# Altium PCB Luchador Pcb.PcbDoc (part 4 of 4)
Units mil, origin at the board's own origin, x right, y up, seen from the top; angles counter-clockwise.
Board outline 6102.25 x 2953 mil, 6 copper layers (Top Layer, GND PLANE 1, SL1(H), SL2(V), Power, Bottom Layer), stack 62.468 mil thick; 267 components, 233 nets, 1286 pads, 806 vias.
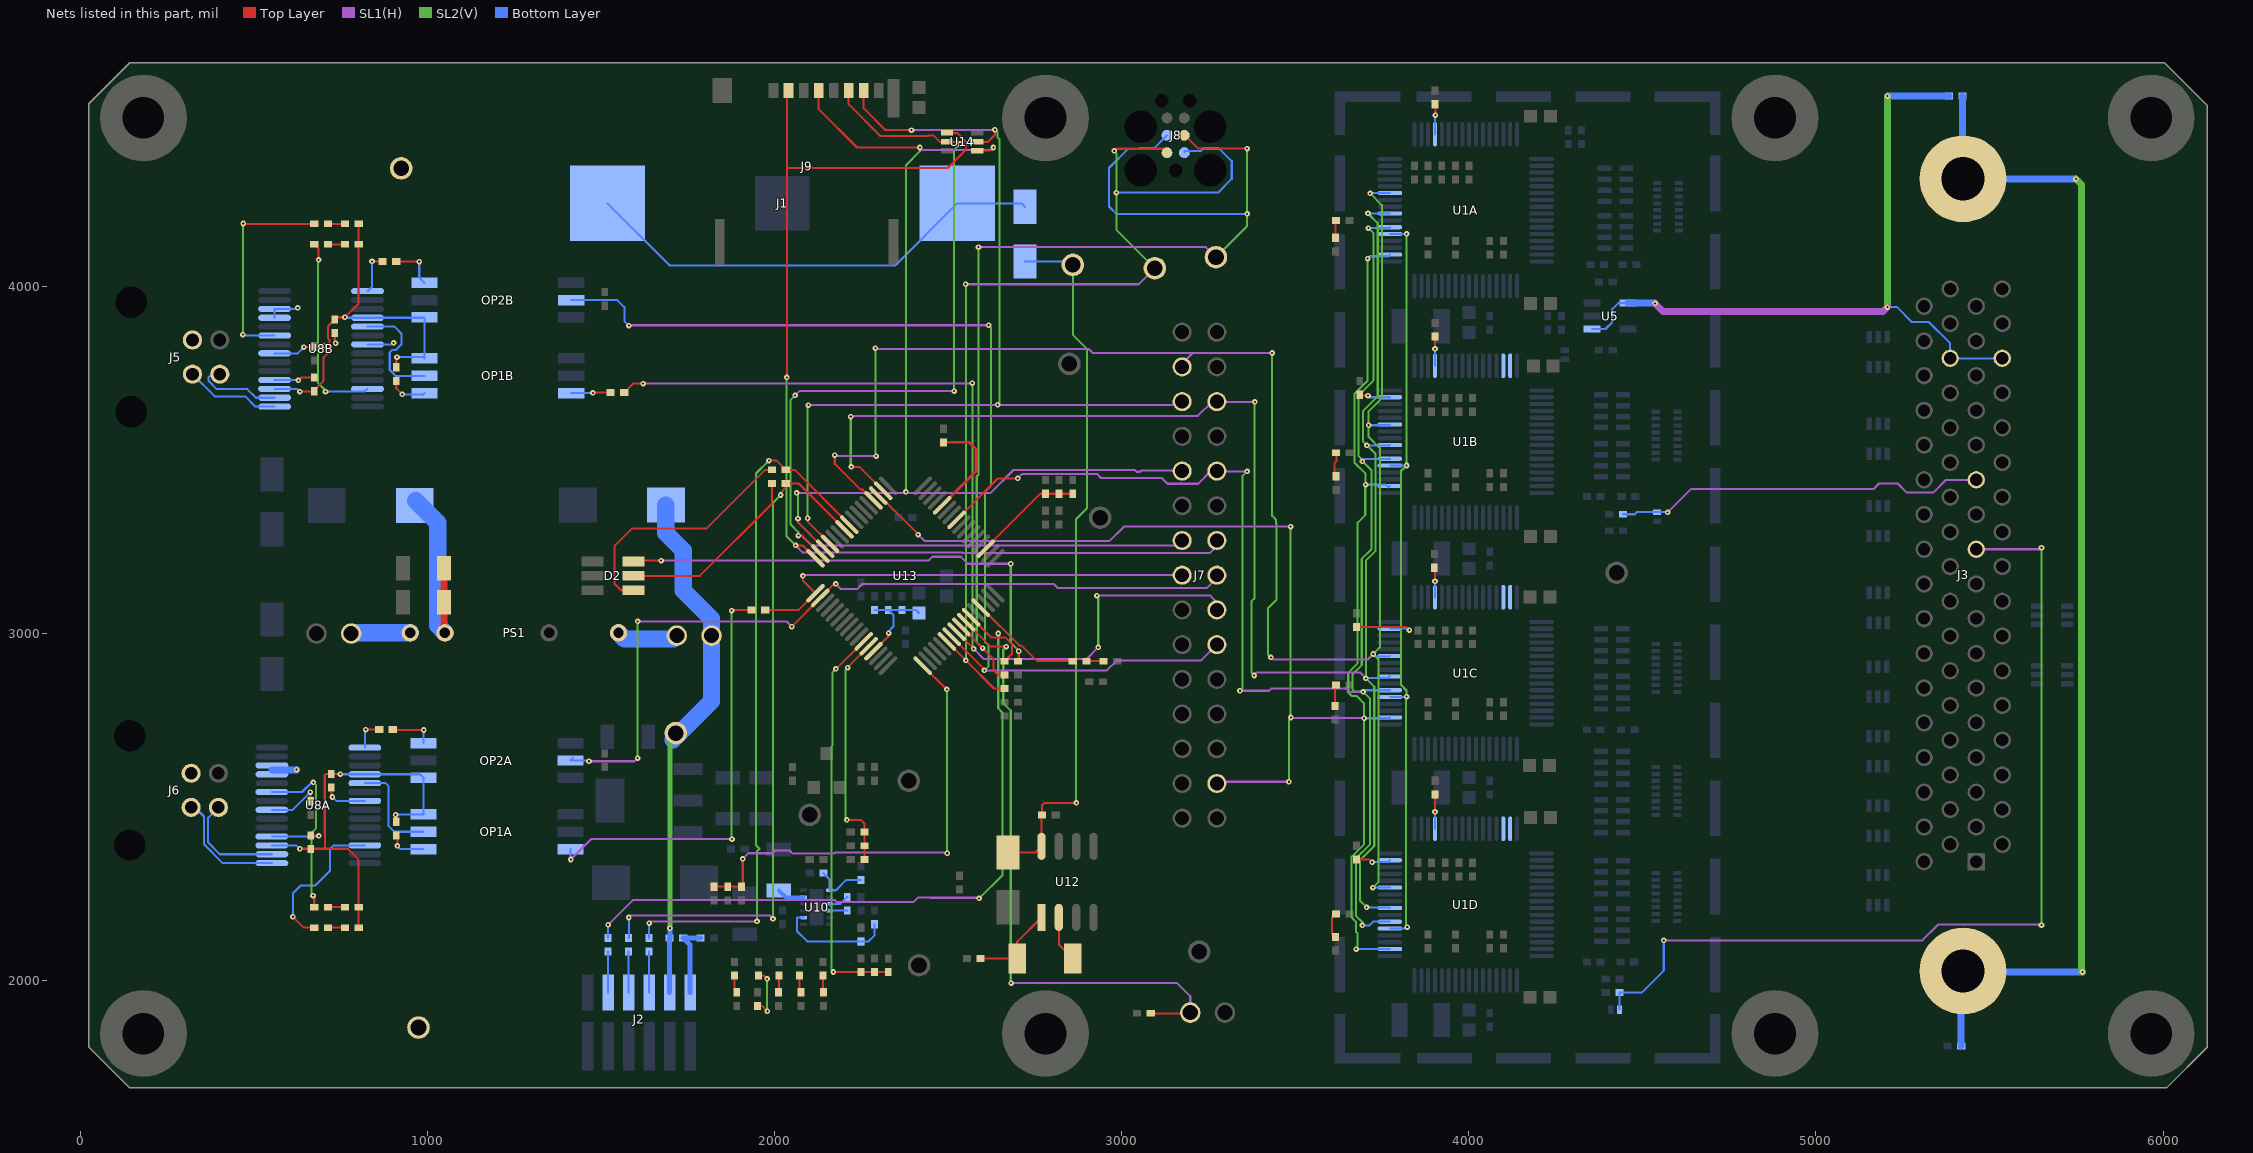
[diagram p8: the nets of this part, all layers, seen from the top]

## Via types
v1: diameter 16, hole 6, Top Layer to Bottom Layer, tented both sides, 806 vias

## Nets (pads, with @x,y where several pads share a name; then routed paths per layer and width w, separated by ;. In a path a pad name is that pad's centre, name@x,y a point inside that pad or via, vN(x,y) a via of type N, cw(c..) or ccw(c..) an arc to the next point about the centre after c; other vN are vias at no path point) (continued)
NetC61_1: C61.1 R46.1 R47.2 U13.17 | length 1335.8
  Top Layer w6: R46.1@1826.18,2270.71 R47.2@1865.55,2270.71 C61.1@1904.92,2270.71 1909,2274.79 v1(1909,2351) ; U13.17@2427.47,2907.48 2495.95,2839 v1(2497,2839)
  SL1(H) w6: v1(1909,2351) 1925,2367 1994.99,2367 2002.99,2375 2043.96,2375 2052.96,2366 2171.96,2366 2174.96,2369 2496,2369 v1(2498,2367)
  SL2(V) w6: v1(2497,2839) 2497,2368 v1(2498,2367)
NetC67_1: C67.1 R49.1 R50.2 U13.35 | length 317.2
  Top Layer w6: U13.35@2608.42,3244.33 2608.82,3244.33 2608.82,3245.12 2766.3,3402.6 R49.1@2780.91,3402.6 R50.2@2820.28,3402.6 C67.1@2859.65,3402.6
NetC68_1: C68.1 U10.5 | length 78.7
  Bottom Layer w10: C68.1@2013.19,2259.87 2032.19,2240.87 U10.5@2084.05,2240.87
NetC72_1: C72.1 R53.1 R56.2 U13.11 | length 1151.7
  Top Layer w6: v1(2170,2025) 2327.8,2025 C72.1@2328.15,2024.65 ; v1(2177,2898) 2178.58,2898 U13.11@2257.66,2977.07
  SL2(V) w6: v1(2170,2025) 2165,2030 2165,2674.96 2168,2677.96 2168,2889 v1(2177,2898)
NetC73_1: C73.1 U10.9 | length 59.5
  Bottom Layer w6: U10.9@2158.86,2221.18 2190.04,2221.18 C73.1@2210.04,2241.18
NetC73_2: C73.2 U10.10 | length 51.3
  Bottom Layer w6: U10.10@2158.86,2201.5 2159.17,2201.81 C73.2@2210.04,2201.81
NetC75_1: C75.1 R63.1 R64.2 U13.12 | length 687.2
  Top Layer w6: v1(2209,2463) 2249,2463 2259.25,2452.75 C75.1@2259.25,2428.19 R64.2@2259.25,2388.82 R63.1@2259.25,2349.45 ; v1(2211,2902) 2211,2902.58 U13.12@2271.57,2963.15
  SL2(V) w6: v1(2209,2463) 2205,2467 2205,2896 v1(2211,2902)
NetC78_1: C78.1 D18.2 D19.2 RTCVDD.1 U12.8 | length 2046.6
  Top Layer w6: D19.2@2672.64,2369.13 2751.5,2369.13 U12.8@2769.49,2387.13 2769.49,2475.83 C78.1@2771.06,2477.4 2771.06,2505.06 2778,2512 v1(2870,2512)
  SL2(V) w6: RTCVDD.1@2859.65,4062.05 2859.65,3860.35 2900,3820 2900,3360 2869,3329 2869,2513 v1(2870,2512)
  Bottom Layer w6: D18.2@2721.85,4071.89 2849.8,4071.89 RTCVDD.1@2859.65,4062.05
NetC79_2: C79.2 U12.1 Y1.2 | length 252.8
  Top Layer w6: C79.2@2593.9,2064.02 Y1.2@2699.65,2064.02 2699.65,2112.28 U12.1@2769.49,2182.13
NetC94_1: C94.1 C95.1 C96.1 R99.1 U13.13 | length 280.3
  Top Layer w6: U13.13@2285.49,2949.24 2329,2992.74 v1(2329,3001)
  Bottom Layer w6: R99.1@2288.78,3067.95 C96.1@2367.52,3067.95 2407.87,3067.95 C94.1@2416.73,3059.09 ; C95.1@2328.15,3067.95 2343,3053.1 2343,3021 2329,3007 v1(2329,3001)
NetD1A_1: D1A.1 R2A.2 | length 50.6
  Top Layer w6: R2A.2@3616,4140 3616,4188.48 D1A.1@3617.52,4190
NetD1B_1: D1B.1 R2B.2 | length 72.9
  Top Layer w6: D1B.1@3617.52,3520.71 3619,3519.23 3619,3496.04 3613,3490.04 3613,3458 R2B.2@3618,3453
NetD1C_1: D1C.1 R2C.2 | length 61.1
  Top Layer w6: R2C.2@3615,2791.37 3615,2848.9 D1C.1@3617.52,2851.42
NetD1D_1: D1D.1 R2D.2 | length 74.9
  Top Layer w6: R2D.2@3616,2126 3606,2136 3606,2180.45 D1D.1@3617.52,2191.97
NetD2_4: D2.4 R8.1 | length 716
  Top Layer w6: D2.4@1594.11,3124.66 1558.34,3124.66 1539,3144 1539,3251 1591,3303 1805,3303 1973.5,3471.5 R8.1@1993.5,3471.5
NetD2_5: D2.5 R9.1 | length 543.4
  Top Layer w6: D2.5@1594.11,3166 1785,3166 1993.5,3374.5 R9.1@1993.5,3432.13
NetD2_6: D2.6 R10.1 | length 1391.8
  Top Layer w6: D2.6@1594.11,3207.34 1596.77,3210 v1(1674,3210) ; R10.1@2702.17,2920.31 2704,2922.15 v1(2704,2949)
  SL1(H) w6: v1(1674,3210) 2444,3210 2455,3221 2537,3221 2557,3201 v1(2681,3201)
  SL2(V) w6: v1(2681,3201) 2681,2973.04 2704,2950.04 v1(2704,2949)
NetD8A_1: D8A.1 R42A.1 | length 49.2
  Top Layer w6: D8A.1@713.98,2211.65 R42A.1@763.19,2211.65
NetD8A_2: D8A.2 U8A.23 | length 502.1
  Top Layer w6: v1(671,2245) 674.61,2241.39 D8A.2@674.61,2211.65
  SL2(V) w6: v1(671,2245) 667,2249 667,2426.21 680,2439.21 680,2563 v1(672,2571)
  Bottom Layer w6: U8A.23@552.56,2543.35 639.3,2543.35 666.96,2571 v1(672,2571)
NetD8B_1: D8B.1 R42B.1 | length 49.2
  Top Layer w6: D8B.1@713.98,4180.16 R42B.1@763.19,4180.16
NetD8B_2: D8B.2 U8B.23 | length 617.9
  Top Layer w6: v1(470,4181) 470.84,4180.16 D8B.2@674.61,4180.16
  SL2(V) w6: v1(469,3861) 469,4180 v1(470,4181)
  Bottom Layer w6: v1(469,3861) 471.69,3858.31 U8B.23@560.43,3858.31
NetD9A_1: D9A.1 R43A.1 | length 49.2
  Top Layer w6: D9A.1@713.98,2152.6 R43A.1@763.19,2152.6
NetD9A_2: D9A.2 U8A.12 | length 442.7
  Top Layer w6: v1(613,2184) 644.4,2152.6 D9A.2@674.61,2152.6
  Bottom Layer w6: v1(613,2184) 613,2251 636,2274 677,2274 720,2317 720,2379 730.8,2389.8 U8A.12@820.28,2389.8
NetD9B_1: D9B.1 R43B.1 | length 49.2
  Top Layer w6: D9B.1@713.98,4121.1 R43B.1@763.19,4121.1
NetD9B_2: D9B.2 U8B.12 | length 563.5
  Top Layer w6: D9B.2@674.61,4121.1 687,4108.71 v1(687,4076)
  SL2(V) w6: v1(687,4076) 685,4074 685,3722 707,3700 v1(707,3697)
  Bottom Layer w6: v1(707,3697) 820.42,3697.03 U8B.12@828.15,3704.76
NetD12_1: D12.1 R54.2 | length 48.8
  Top Layer w6: R54.2@2139.98,2014.8 2139.98,1968.2 D12.1@2141.5,1966.67
NetD13_1: D13.1 R57.2 | length 49.9
  Top Layer w6: R57.2@2072.24,2014.8 2072.24,1970.93 D13.1@2076.5,1966.67
NetD14_1: D14.1 R60.2 | length 48.8
  Top Layer w6: D14.1@2011.5,1966.67 2013.19,1968.36 R60.2@2013.19,2014.8
NetD15_2: D15.2 R62.2 | length 157.2
  Top Layer w6: D15.2@1951.5,1927.3 1964.7,1927.3 v1(1980,1912) ; R62.2@1954.13,2014.8 1969.2,2014.8 v1(1979,2005)
  SL2(V) w6: v1(1979,2005) 1979,1913 v1(1980,1912)
NetD16_1: D16.1 R66.2 | length 50.7
  Top Layer w6: R66.2@1885.24,2014.8 1885.24,1972.94 D16.1@1891.5,1966.67
NetD18_1: D18.1 J1.1 | length 1355.3
  Bottom Layer w6: J1.1@1519.09,4239.21 1698.31,4060 2347.76,4060 J1.1@2526.97,4239.21 2712.01,4239.21 D18.1@2721.85,4229.37
NetD31_1: D31.1 R103.1 | length 49.2
  Top Layer w6: R103.1@2899.02,2920.31 D31.1@2948.23,2920.31
NetJ2_1: J2.1 R44.2 R45.1 | length 214.8
  Bottom Layer w15: J2.1@1757.28,1965.59 1757.28,2103.39 R44.2@1737.6,2123.07 R45.1@1786.81,2123.07
NetJ2_2: +5VNOM.1 C16.1 J2.2 JP2.2 R44.1 | length 1511.7
  SL2(V) w15: v1(1699,2151) 1699,2684.87 1708.07,2693.94 1706.89,2695.12 +5VNOM.1@1706.89,2693.94
  Bottom Layer w15: J2.2@1698.23,1965.59 R44.1@1698.23,2123.07 1699,2123.84 v1(1699,2151)
  Bottom Layer w50: C16.1@1687.54,3370 1687.54,3289.46 1738,3239 1738,3124 1819,3043 JP2.2@1819,2994 1819,2804.87 +5VNOM.1@1708.07,2693.94
NetJ2_3: J2.3 R5.1 | length 118.1
  Bottom Layer w6: J2.3@1639.17,1965.59 R5.1@1639.17,2083.7
NetJ2_4: J2.4 R6.1 | length 118.1
  Bottom Layer w6: J2.4@1580.12,1965.59 R6.1@1580.12,2083.7
NetJ2_5: J2.5 R7.1 | length 118.1
  Bottom Layer w6: J2.5@1521.06,1965.59 R7.1@1521.06,2083.7
NetJ3_SH: J3.SH R3.2 R4.2 | length 3419.3
  SL2(V) w20: v1(5749,4309) 5765,4293 5765,2028 v1(5768,2025)
  Bottom Layer w6: J3.SH@5422.64,4311.13 J3.SH@5424.01,4309.76
  Bottom Layer w20: R4.2@5418.7,1812.05 5418.7,2022.45 J3.SH@5424.01,2027.76 5426.76,2025 v1(5768,2025) ; J3.SH@5422.64,4311.13 R3.2@5422.64,4548.27 ; J3.SH@5424.01,4309.76 5748.24,4309.76 v1(5749,4309)
NetJ5_2: J5.2 U8B.16 | length 257
  Bottom Layer w6: J5.2@402.56,3747.09 379.09,3747.09 370,3738 370,3728 394,3704 482,3704 506.83,3679.17 U8B.16@560.43,3679.17
NetJ5_3: J5.3 U8B.15 | length 275.3
  Bottom Layer w6: J5.3@323.82,3747.09 387.91,3683 476,3683 505.42,3653.58 U8B.15@560.43,3653.58
NetJ6_2: J6.2 U8A.16 | length 310.9
  Bottom Layer w6: J6.2@398.62,2499.06 369,2469.43 369,2398 402.79,2364.21 U8A.16@552.56,2364.21
NetJ6_3: J6.3 U8A.15 | length 346
  Bottom Layer w6: J6.3@319.88,2499.06 330.94,2499.06 357,2473 357,2393.03 411.41,2338.62 U8A.15@552.56,2338.62
NetJP1_2: JP1.2 PS1.1 | length 170.8
  Bottom Layer w50: JP1.2@781,3000 783,3002 PS1.1@951,3002
NetJP2_1: JP2.1 PS1.7 | length 179.6
  Bottom Layer w50: PS1.7@1551,3002 1569,2984 1709,2984 JP2.1@1719,2994
NetJP3_1: JP3.1 R16.1 U13.26 | length 1820.1
  Top Layer w6: U13.26@2552.75,3032.75 2623.5,2962 v1(2668,2962) ; R16.1@3084,1906 3196,1906 JP3.1@3198,1908
  SL1(H) w6: v1(2682,1993) 3160,1993 3198,1955 JP3.1@3198,1908
  SL2(V) w6: v1(2668,2962) 2659.35,2953.35 2659.35,2799.43 2681,2777.79 2681,1994 v1(2682,1993)
NetOP1A_3: OP1A.3 R40A.1 | length 1235.7
  Top Layer w6: v1(1877,3066) 1878.95,3067.95 R40A.1@1934.45,3067.95
  SL1(H) w6: v1(1414,2349) 1473,2408 v1(1878,2408)
  SL2(V) w6: v1(1877,3066) 1877,2409 v1(1878,2408)
  Bottom Layer w6: OP1A.3@1412.4,2378.98 1412.4,2350.6 v1(1414,2349)
NetOP1A_5: OP1A.5 U8A.5 | length 294.6
  Bottom Layer w6: U8A.5@820.28,2568.94 880.06,2568.94 888,2561 888,2446 905.02,2428.98 OP1A.5@989.57,2428.98
NetOP1B_3: OP1B.3 R40B.1 | length 113.9
  Top Layer w6: v1(1477,3693) 1478,3694 R40B.1@1528,3694
  Bottom Layer w6: OP1B.3@1414.76,3692.36 1415.4,3693 v1(1477,3693)
NetOP1B_5: OP1B.5 U8B.5 | length 338.4
  Bottom Layer w6: U8B.5@828.15,3883.9 906.1,3883.9 926,3864 926,3833 910,3817 899,3817 892,3810 892,3759 908.64,3742.36 OP1B.5@991.93,3742.36
NetOP2A_3: OP2A.3 R41A.2 | length 127.7
  Top Layer w6: R41A.2@900.98,2723.46 902.45,2722 v1(990,2722)
  Bottom Layer w6: OP2A.3@989.57,2684.09 989.57,2721.57 v1(990,2722)
NetOP2B_3: OP2B.3 R41B.2 | length 133.3
  Top Layer w6: R41B.2@910.83,4071.89 976.11,4071.89 v1(977,4071)
  Bottom Layer w6: v1(977,4071) 977,4025.4 OP2B.3@991.93,4010.47
NetR15_1: R15.1 U13.44 | length 304.1
  Top Layer w8: U13.44@2483.15,3369.6 2581,3467.45 2581,3531 2561.37,3550.63 R15.1@2487,3550.63
NetR29_2: R29.2 U1A.52 | length 87.5
  Top Layer w6: R29.2@3902.95,4524.65 3904,4523.6 v1(3904,4493)
  Bottom Layer w6: U1A.52@3902.95,4438.03 3902.95,4491.95 v1(3904,4493)
NetR31_2: R31.2 U1B.47 | length 89.7
  Top Layer w6: R31.2@3686.42,3688.03 3689.45,3685 v1(3710,3685)
  Bottom Layer w6: v1(3710,3685) 3714.34,3680.66 U1B.47@3773.03,3680.66
NetR32_2: R32.2 U1B.52 | length 84.2
  Top Layer w6: R32.2@3902.95,3855.35 3903,3855.31 v1(3903,3820)
  Bottom Layer w6: U1B.52@3902.95,3771.21 3902.95,3819.95 v1(3903,3820)
NetR33_2: R33.2 U1C.47 | length 213.6
  Top Layer w6: R33.2@3676.57,3018.74 3820.26,3018.74 v1(3829,3010)
  Bottom Layer w6: U1C.47@3773.03,3013.83 3825.17,3013.83 v1(3829,3010)
NetR34_2: R34.2 U1C.52 | length 86.1
  Top Layer w6: R34.2@3901,3189.63 3903,3187.63 v1(3903,3150)
  Bottom Layer w6: U1C.52@3902.95,3104.38 3902.95,3149.95 v1(3903,3150)
NetR35_2: R35.2 U1D.47 | length 102.4
  Top Layer w6: R35.2@3676.57,2349.45 3713.55,2349.45 v1(3722,2341)
  Bottom Layer w6: v1(3722,2341) 3723.23,2342.23 3768.25,2342.23 U1D.47@3773.03,2347.01
NetR37_2: R37.2 U1D.52 | length 98.9
  Top Layer w6: R37.2@3902.95,2536.46 3903,2536.41 v1(3903,2486)
  Bottom Layer w6: U1D.52@3902.95,2437.56 3902.95,2485.95 v1(3903,2486)
NetR41A_1: R41A.1 U8A.1 | length 91.6
  Top Layer w6: v1(823,2723) 823.46,2723.46 R41A.1@861.61,2723.46
  Bottom Layer w6: U8A.1@820.28,2671.3 820.28,2720.28 v1(823,2723)
NetR41B_1: R41B.1 U8B.1 | length 121.6
  Top Layer w6: v1(841,4072) 871.35,4072 R41B.1@871.46,4071.89
  Bottom Layer w6: U8B.1@828.15,3986.26 841,3999.11 v1(841,4072)
NetR52_1: R52.1 R55.2 U10.2 | length 331.9
  Bottom Layer w6: U10.2@2084.05,2181.81 2066.49,2181.81 2065.21,2180.54 2065.21,2142.75 2094.73,2113.23 R52.1@2249.41,2113.23 2271.23,2113.23 2288.78,2130.78 R55.2@2288.78,2162.44
NetR58_1: R58.1 R59.2 U10.7 | length 159.8
  Bottom Layer w6: R59.2@2141.14,2310.08 2158.86,2292.36 U10.7@2158.86,2260.55 2177.55,2260.55 2207.39,2290.39 R58.1@2249.41,2290.39
NetR103_2: R103.2 U13.29 | length 329
  Top Layer w6: U13.29@2594.51,3074.51 2596.5,3074.51 2705.01,2966 2711.04,2966 2756.73,2920.31 R103.2@2859.65,2920.31
NetU1A_37: U1A.37 U1B.37 U1C.37 U1D.37 | length 2208.9
  SL2(V) w6: v1(3821,4151) v1(3821,3484) 3805,3468 3805,2852 3821,2836 v1(3821,2818) 3819,2816 3819,2158 v1(3823,2154)
  Bottom Layer w6: U1D.37@3773.03,2150.16 3819.16,2150.16 v1(3823,2154) ; U1C.37@3773.03,2816.98 3819.98,2816.98 v1(3821,2818) ; U1B.37@3773.03,3483.81 3773.23,3484 v1(3821,3484) ; U1A.37@3773.03,4150.63 3820.63,4150.63 v1(3821,4151)
NetU1B_62: U1B.62
NetU1B_63: U1B.63
NetU1C_62: U1C.62
NetU1C_63: U1C.63
NetU1D_62: U1D.62
NetU1D_63: U1D.63
NetU12_2: U12.2 Y1.1 | length 134.7
  Top Layer w6: U12.2@2819.49,2182.13 2819.49,2104.17 Y1.1@2859.65,2064.02
REF: D6.1 J3.23 R36.2 | length 1081.2
  SL1(H) w6: v1(4573,3349) 4640,3416 5166,3416 5182,3432 5236,3432 5262,3406 5338,3406 5374.76,3442.76 J3.23@5462.01,3442.76
  Bottom Layer w6: R36.2@4444.29,3343.54 4478.54,3343.54 4485,3350 4542.17,3350 D6.1@4542.72,3349.45 4572.55,3349.45 v1(4573,3349)
SHIELD: J3.30 J3.64 R3.1 U5.1 U5.4 | length 2120.5
  SL1(H) w20: v1(4537,3951) 4560,3928 5194,3928 v1(5206,3940)
  SL2(V) w20: v1(5206,3940) 5206,4547 v1(5207,4548)
  Bottom Layer w6: U5.1@4355.71,3877.01 4394.01,3877.01 4413,3896 4413,3934 4430.81,3951.81 U5.4@4458.86,3951.81 ; v1@4536.19,3951.81 v1(4537,3951) ; v1(5206,3940) 5234,3940 5277,3897 5326,3897 5387.01,3835.99 J3.64@5387.01,3792.76 J3.30@5537.01,3792.76
  Bottom Layer w20: U5.4@4458.86,3951.81 v1@4536.19,3951.81 ; v1(5207,4548) 5383,4548 R3.1@5383.27,4548.27
SPI0_MISO: J7.4 U1A.43 U1B.43 U1C.43 U1D.43 U13.52 | length 5299.1
  Top Layer w6: v1(2174,3514) 2174,3489 2249,3414 2255.02,3414 U13.52@2285.49,3383.52
  SL1(H) w6: v1(2174,3514) 2177,3511 v1(2293,3511) ; v1(2291,3822) 2293,3820 2905,3820 2917,3808 3205,3808 ; J7.4@3174.61,3767.95 3174.61,3777.61 3205,3808 ; v1(3430,2931) 3436,2925 3709,2925 v1(3725,2941) ; v1(3434,3808) 3205,3808
  SL2(V) w6: v1(2291,3822) 2291,3513 v1(2293,3511) ; v1(3430,2931) 3422,2939 3422,3073 3447,3098 3447,3290.02 3446,3291.02 3446,3314.97 3445,3315.97 3445,3328.21 3434,3339.21 v1(3434,3808) ; v1(3716,4268) 3750,4234 3750,3678 3712,3640 v1(3712,3600) 3712,3566 3744,3534 3744,2960 v1(3725,2941) 3740,2926 3740,2284 v1(3724,2268)
  Bottom Layer w6: v1(3712,3600) 3766.95,3600 3768.95,3598 3772.95,3602 U1B.43@3773.03,3601.92 ; v1(3716,4268) 3716.74,4268.74 U1A.43@3773.03,4268.74 ; v1(3724,2268) 3772.76,2268 U1D.43@3773.03,2268.27 ; v1(3725,2941) 3732,2934 3771.94,2934 U1C.43@3773.03,2935.09
SPI0_MOSI: J7.27 U1A.34 U1B.34 U1C.34 U1D.34 U13.51 | length 4825.3
  Top Layer w6: U13.51@2299.41,3397.44 2302.56,3397.44 2414,3286 v1(2414,3285)
  SL1(H) w6: v1(2414,3285) 2415,3285 2434,3266 2964.97,3266 3006.97,3308 v1(3487,3308) ; J7.27@3274.61,2567.95 3279.65,2573 v1(3482,2573) ; v1(3488,2758) 3489,2757 3698,2757 v1(3699,2756)
  SL2(V) w6: v1(3482,2573) 3482,2752 v1(3488,2758) 3487,2759 v1(3487,3308) ; v1(3676,2091) 3680,2095 3680,2136.04 3675,2141.04 3675,2169.98 3663,2181.98 3663,2356.95 3698,2391.95 3698,2799.04 3677.04,2820 3663,2820 3653,2830 3653,2886.97 3680,2913.97 3680,3319.06 3702,3341.06 3702,3428 v1(3703,3429) 3703,3460.04 3671,3492.04 3671,3690.97 3709,3728.97 v1(3709,4080)
  Bottom Layer w6: v1(3676,2091) 3772.93,2091 U1D.34@3773.03,2091.1 ; v1(3699,2756) 3771.1,2756 U1C.34@3773.03,2757.93 3772.96,2758 U1C.34@3771.96,2757 ; v1(3703,3429) 3760.78,3429 3768.78,3421 3772.78,3425 U1B.34@3773.03,3424.75 ; v1(3709,4080) 3715.8,4086.8 3768.25,4086.8 U1A.34@3773.03,4091.58
SPI0_SCK: J7.5 U1A.40 U1B.40 U1C.40 U1D.40 U13.50 | length 4937.3
  Top Layer w6: v1(2222,3480) 2244.69,3480 U13.50@2313.33,3411.36
  SL1(H) w6: v1(2220,3625) 2222,3627 3220,3627 3260.95,3667.95 J7.5@3274.61,3667.95 3275.56,3667 v1(3384,3667) ; v1(3382,2879) 3382,2882 3388,2888 3687,2888 v1(3704,2871)
  SL2(V) w6: v1(2220,3625) 2220,3482 v1(2222,3480) ; v1(3382,2879) 3374,2887 3374,3092.88 3383,3101.88 3383,3666 v1(3384,3667) ; v1(3706,2211) 3687,2230 3687,2347.01 3728,2388.01 3728,2847 v1(3704,2871) 3704,3210.03 3732,3238.03 3732,3517 v1(3707,3542) 3695,3554 3695,3639.97 3738,3682.97 3738,4182 v1(3710,4210)
  Bottom Layer w6: v1(3704,2871) 3704.26,2871.26 3766.25,2871.26 3771.99,2877 U1C.40@3773.03,2876.04 U1C.40@3773.03,2876.04 ; v1(3706,2211) 3770.82,2211 3772.82,2209 U1D.40@3773.03,2209.21 ; v1(3707,3542) 3772.17,3542 U1B.40@3773.03,3542.86 ; v1(3710,4210) 3710.31,4209.69 U1A.40@3773.03,4209.69
SPI1_CS: J7.6 J9.2 U13.61 U14.5 | length 2836.8
  Top Layer w6: v1(2096,3332) 2096,3322.47 U13.61@2160.22,3258.25 ; J9.2@2257.28,4564.02 2257.28,4512.72 2320,4450 v1(2395,4450) ; U14.5@2584.06,4416.38 2615.38,4416.38 2635,4436 v1(2635,4451)
  SL1(H) w6: v1(2098,3658) 3164.65,3658 J7.6@3174.61,3667.95 ; v1(2395,4450) 2634,4450 v1(2635,4451)
  SL2(V) w6: v1(2096,3332) 2096,3656 v1(2098,3658) ; v1(2635,4451) 2643,4443 2643,4429 2648,4424 2648,3664 v1(2643,3659)
SPI1_MISO: J7.13 J9.7 U13.64 U14.1 | length 3269.7
  Top Layer w6: v1(2036,3738) 2036,4341 ; J9.7@2040.75,4564.02 2036,4559.27 2036,4341 ; v1(2061,3254) 2080.95,3254 U13.64@2118.46,3216.49 ; U14.1@2497.44,4441.97 2527.07,4441.97 2552,4417.04 2552,4393.96 2499.04,4341 2036,4341
  SL1(H) w6: v1(2061,3254) 2082,3233 2541.97,3233 2543.52,3231.45 3254.45,3231.45 3274.61,3251.61 J7.13@3274.61,3267.95
  SL2(V) w6: v1(2036,3738) 2035,3737 2035,3280 v1(2061,3254)
SPI1_MOSI: J7.14 J9.3 U13.63 U14.2 | length 3218
  Top Layer w6: v1(2069,3282) 2080.79,3282 U13.63@2132.38,3230.41 ; J9.3@2213.98,4564.02 2213.98,4524.34 2305.32,4433 2441.96,4433 2443.96,4435 2458.04,4435 2476.66,4416.38 U14.2@2497.44,4416.38 2528.62,4416.38 v1(2535,4410)
  SL1(H) w6: v1(2060,3686) 2072,3698 v1(2518,3698) ; v1(2069,3282) 2079,3282 2107,3254 3160.65,3254 J7.14@3174.61,3267.95
  SL2(V) w6: v1(2060,3686) 2047,3673 2047,3314 2069,3292 v1(2069,3282) ; v1(2518,3698) 2518,4393 v1(2535,4410)
SPI1_SCK: J7.10 J9.5 U13.62 U14.4 | length 3005.9
  Top Layer w6: v1(2068,3331) 2068,3320 2143.67,3244.33 U13.62@2146.3,3244.33 ; J9.5@2127.36,4564.02 2127.36,4510.64 2238,4400 v1(2419,4400) ; U14.4@2584.06,4390.79 2620.79,4390.79 2630,4400 v1(2631,4400)
  SL1(H) w6: v1(2064,3405) 2622.96,3405 2688.93,3470.97 3037.99,3470.97 3042.96,3466 3053.04,3466 3056.01,3468.97 3173.59,3468.97 J7.10@3174.61,3467.95 ; v1(2419,4400) 2426,4393 2624,4393 v1(2631,4400)
  SL2(V) w6: v1(2064,3405) 2068,3401 v1(2068,3331) ; v1(2379,3408) 2379,4349 2419,4389 v1(2419,4400)
SRB2: D7.1 J3.19 R39.2 | length 2674.5
  SL1(H) w6: v1(4562,2116) 5307,2116 5352.76,2161.76 5648.24,2161.76 v1(5650,2160) ; J3.19@5462.01,3242.76 5645.76,3242.76 v1(5650,3247)
  SL2(V) w6: v1(5650,2160) v1(5650,3247)
  Bottom Layer w6: D7.1@4434.45,1916.38 R39.2@4434.45,1965.59 4498.59,1965.59 4562,2029 v1(4562,2116)
ST_LED_B: R7.2 R10.2 U13.27 | length 2161.2
  Top Layer w6: U13.27@2566.67,3046.67 2625.34,2988 2643,2988 ; v1(2645,3000) 2645,2990 2643,2988 ; R10.2@2662.8,2920.31 2685,2942.52 2685,2969.04 2666.04,2988 2643,2988
  SL1(H) w6: v1(1521,2161) 1592,2232 2173.96,2232 2178.96,2227 2401.24,2227 2413.24,2239 2449.5,2239 2449.73,2238.76 2588.24,2238.76 v1(2590,2237)
  SL2(V) w6: v1(2590,2237) 2657,2304 2657,2772.21 2645,2784.21 v1(2645,3000)
  Bottom Layer w6: v1(1521,2161) 1521.06,2160.94 R7.2@1521.06,2123.07
ST_LED_G: R6.2 R9.2 U13.58 | length 1974.2
  Top Layer w6: v1(2018,3399) 2018,3406 2032.87,3420.87 R9.2@2032.87,3432.13 2069.86,3432.13 U13.58@2201.98,3300
  SL1(H) w6: v1(1581,2182) 1587,2188 1986,2188 v1(1996,2178)
  SL2(V) w6: v1(1996,2178) 1996,3377 v1(2018,3399)
  Bottom Layer w6: R6.2@1580.12,2123.07 1581,2123.95 v1(1581,2182)
ST_LED_R: R5.2 R8.2 U13.57 | length 2013.6
  Top Layer w6: v1(1984,3498) 2006.37,3498 R8.2@2032.87,3471.5 2058.32,3471.5 U13.57@2215.9,3313.92
  SL1(H) w6: v1(1639,2166) 1644,2171 v1(1950,2171)
  SL2(V) w6: v1(1950,2171) 1950,2373 1957,2380 1947,2390 1947,3461 v1(1984,3498)
  Bottom Layer w6: v1(1639,2166) 1639,2123.24 R5.2@1639.17,2123.07
START: J7.9 U1A.38 U1B.38 U1C.38 U1D.38 U13.41 | length 4359
  Top Layer w6: U13.41@2524.91,3327.84 2644.06,3447 v1(2701,3447)
  SL1(H) w6: v1(2701,3447) 2712.97,3458.97 2930.03,3458.97 2941,3448 3116,3448 3132.55,3431.45 3220.45,3431.45 3256.95,3467.95 J7.9@3274.61,3467.95 3275.56,3467 v1(3362,3467) ; v1(3341,2835) 3425.01,2835 3431.01,2841 3648,2841 3657,2832 v1(3696,2832)
  SL2(V) w6: v1(3341,2835) 3349,2843 3349,3454 v1(3362,3467) ; v1(3694,2159) 3694,2167.95 3675,2186.95 3675,2351.98 3716,2392.98 3716,2812 v1(3696,2832) 3695,2833 3671,2833 3665,2839 3665,2882 3692,2909 3692,3215 3720,3243 3720,3470 v1(3694,3496) 3694,3499.79 3683,3510.79 3683,3686 3726,3729 3726,4153 v1(3711,4168)
  Bottom Layer w6: v1(3694,2159) 3714,2159 3724.84,2169.84 U1D.38@3773.03,2169.84 ; v1(3694,3496) 3701,3503 3772.54,3503 U1B.38@3773.03,3503.49 ; v1(3696,2832) 3700.67,2836.67 U1C.38@3773.03,2836.67 ; v1(3711,4168) 3770.72,4168 U1A.38@3773.03,4170.32
TCK/SWD_CLK: CLK.1 J8.2 R100.2 U13.22 | length 2976.5
  Top Layer w6: U13.22@2497.07,2977.07 v1(2551.57,2922.57) 2632.57,2841.57 R100.2@2662.8,2841.57 ; v1(2979,4390) 2985.34,4396.34 3124.47,4396.34 3132.28,4388.52 J8.2@3132.28,4385.67
  SL1(H) w6: v1(2551,4006) 3049.66,4006 CLK.1@3095.87,4052.2
  SL2(V) w6: v1(2551,4006) 2551.57,4005.43 v1(2551.57,2922.57) ; v1(2979,4390) 2985,4384 v1(2985,4270) 2985,4163.07 CLK.1@3095.87,4052.2
  Bottom Layer w6: v1(2985,4270) 3277.8,4270 3317.45,4309.64 3317.45,4360.36 3281.36,4396.45 3235.45,4396.45 3229.29,4390.29 3181,4390.29 J8.2@3181,4385
TMS/SWD_DIO: DIO.1 J8.3 R101.2 U13.25 | length 3330.5
  Top Layer w6: U13.25@2538.83,3018.83 v1(2600,2957.66) 2631,2926.66 2631,2894 2644.06,2880.94 R101.2@2662.8,2880.94 ; J8.3@3182.28,4435.67 3221.1,4396.85 3361.85,4396.85 v1(3362,4397)
  SL1(H) w6: v1(2588,4113) 3243,4113 DIO.1@3272,4084
  SL2(V) w6: v1(2588,4113) 2588,3458.04 2583,3453.04 2583,2974.66 v1(2600,2957.66) ; DIO.1@3272,4084 3362,4174 v1(3362,4209) v1(3362,4397)
  Bottom Layer w6: J8.3@3131,4435 3092.46,4396.46 3050.41,4396.46 3049.95,4396 3019,4396 2964,4341 2964,4230 2985,4209 v1(3362,4209)
U0_RX: J7.19 OP2B.5 U13.23 | length 3105.7
  Top Layer w6: U13.23@2510.99,2990.99 2605,2896.98 v1(2605,2894)
  SL1(H) w6: v1(1581,3887) 1582,3888 v1(2617,3888) ; v1(2605,2894) 2957.96,2894 2985.96,2922 3228.65,2922 J7.19@3274.61,2967.95
  SL2(V) w6: v1(2605,2894) 2617,2906 2617,2964.7 2607,2974.7 2607,3409 2624,3426 2624,3881 v1(2617,3888)
  Bottom Layer w6: OP2B.5@1414.76,3960.47 1547.53,3960.47 1568,3940 1568,3900 v1(1581,3887)
U0_TX: J7.17 R40B.2 U13.24 | length 2761.7
  Top Layer w6: R40B.2@1567.37,3694 1593.37,3720 v1(1622,3720) ; U13.24@2524.91,3004.91 2573.82,2956 v1(2574,2956)
  SL1(H) w6: v1(1622,3720) 2569,3720 v1(2570,3721) ; v1(2574,2956) 2604,2926 2899,2926 v1(2933,2960) ; v1(2929,3109) 3256,3109 3274.61,3090.39 J7.17@3274.61,3067.95
  SL2(V) w6: v1(2570,3721) 2571,3720 2571,2959 v1(2574,2956) ; v1(2929,3109) 2933,3105 v1(2933,2960)
U1_RX: J7.15 OP2A.5 U13.2 | length 2364.9
  Top Layer w6: v1(2050,3020) U13.2@2132.38,3102.35 2173.03,3143 v1(2177,3143)
  SL1(H) w6: v1(1466,2632) 1597,2632 v1(1606,2641) ; v1(1606,3035) 2035,3035 v1(2050,3020) ; v1(2177,3143) 2192,3128 2239,3128 2254,3143 2804,3143 2815.55,3131.45 3246.45,3131.45 3274.61,3159.61 J7.15@3274.61,3167.95
  SL2(V) w6: v1(1606,2641) v1(1606,3035)
  Bottom Layer w6: OP2A.5@1419.31,2641 OP2A.5@1412.4,2634.09 1463.91,2634.09 v1(1466,2632)
U1_TX: J7.16 R40A.2 U13.1 | length 1323.8
  Top Layer w6: R40A.2@1973.82,3067.95 2070.15,3067.95 U13.1@2118.46,3116.27 2082,3152.73 v1(2082,3166)
  SL1(H) w6: v1(2082,3166) 2085,3169 3173.56,3169 J7.16@3174.61,3167.95
"USB 3.3VA": C54A.2 C56A.2 C58A.2 OP1A.6 OP2A.1 R42A.2 R43A.2 U8A.4 U8A.17 | length 1176
  Top Layer w6: v1(633,2380) C58A.2@663.74,2380 ; C58A.2@664.76,2378.98 C58A.2@663.74,2380 ; 704.98,2424.07 704.98,2591.98 708.51,2595.51 C56A.2@723.82,2595.51 724.33,2595 v1(750,2595) ; 705,2424.04 705,2384 701,2380 ; R43A.2@802.56,2152.6 R42A.2@802.56,2211.65 802.56,2348.44 771,2380 701,2380 ; v1(909,2478) 909,2459.54 C54A.2@910.83,2457.72 ; C58A.2@663.74,2380 701,2380
  Bottom Layer w6: U8A.17@552.56,2389.8 623.2,2389.8 v1(633,2380) ; v1(750,2595) 750.47,2594.53 U8A.4@820.28,2594.53 979.13,2594.53 OP2A.1@989.57,2584.09 OP1A.6@989.57,2478.98 909.98,2478.98 v1(909,2478)
"USB 3.3VB": C54B.2 C56B.2 C58B.2 OP1B.6 OP2B.1 R42B.2 R43B.2 U8B.4 U8B.17 | length 1128
  Top Layer w6: v1(633,3697) 673.73,3697 C58B.2@674.61,3697.87 674.61,3700.61 701,3727 701,3794 719,3812 719,3845.48 714.82,3849.66 714.82,3885.72 C56B.2@733.66,3904.57 740.09,3911 v1(763,3911) 802.56,3950.56 R43B.2@802.56,4121.1 R42B.2@802.56,4180.16 ; C54B.2@910.83,3766.77 910.83,3793.83 v1(913,3796)
  Bottom Layer w6: U8B.17@560.43,3704.76 625.24,3704.76 v1(633,3697) ; v1(763,3911) 764.51,3909.49 U8B.4@828.15,3909.49 OP2B.1@990.94,3909.49 ; v1(913,3796) 988.29,3796 OP1B.6@991.93,3792.36 991.93,3908.5 OP2B.1@990.94,3909.49 ; OP2B.1@991.93,3910.47 OP2B.1@990.94,3909.49
"USB GNDA": C17.2 C54A.1 C54B.1 C55A.2 C55B.2 C56A.1 C56B.1 C58A.1 C58B.1 C59.2 C60.2 J5.4 J6.4 OP1A.4 OP1B.4 PS1.2 U8A.7 U8A.18 U8A.21 U8A.25 U8A.26 U8B.7 U8B.18 U8B.21 U8B.25 U8B.26 USBGNDA.1 USBGNDB.1 | length 1809.2
  Top Layer w6: v1(629,3729) 637.24,3737.24 C58B.1@674.61,3737.24 ; v1(645,3825) 645.83,3825.83 C55B.2@674.61,3825.83 698.83,3825.83 v1(702,3829) ; v1(663,2543) 663,2518.54 C55A.2@664.76,2516.77 ; C58A.1@664.76,2418.35 686.65,2418.35 v1(688,2417) ; C56A.1@723.82,2556.14 723.82,2532.18 v1(727,2529) ; C56B.1@733.66,3865.2 733.66,3838.34 v1(736,3836) ; C54A.1@910.83,2418.35 914,2415.17 v1(914,2388) ; C54B.1@910.83,3727.4 910.83,3706.17 v1(928,3689)
  Top Layer w20: C59.2@1048.43,3188.02 C60.2@1048.43,3089.6 1048.43,3004.57 PS1.2@1051,3002
  Bottom Layer w6: U8A.18@552.56,2415.39 686.39,2415.39 v1(688,2417) ; U8A.21@552.56,2492.17 612.17,2492.17 v1(663,2543) ; U8B.18@560.43,3730.35 627.65,3730.35 v1(629,3729) ; U8B.21@560.43,3807.13 627.13,3807.13 v1(645,3825) ; U8B.25@560.43,3909.49 U8B.26@560.43,3935.08 624.08,3935.08 v1(627,3938) ; v1(727,2529) 738.24,2517.76 U8A.7@820.28,2517.76 ; U8B.7@828.15,3832.72 898.72,3832.72 v1(903,3837) ; v1(914,2388) 923.02,2378.98 OP1A.4@989.57,2378.98 ; v1(928,3689) 988.57,3689 OP1B.4@991.93,3692.36
  Bottom Layer w20: 552.56,2607 623,2607 v1(624,2608)
  Bottom Layer w50: C17.2@967,3382 1030,3319 1030,3023 PS1.2@1051,3002
pads on no net: J2.M J5.M J6.M J8.1 J8.M J9.1 J9.8 J9.M OP1A.2 OP1B.2 OP2A.2 OP2B.2 U1A.27 U1A.29 U1A.42 U1A.44 U1A.45 U1A.46 U1B.27 U1B.29 U1B.42 U1B.44 U1B.45 U1B.46 U1C.27 U1C.29 U1C.42 U1C.44 U1C.45 U1C.46 U1D.27 U1D.29 U1D.42 U1D.44 U1D.45 U1D.46 U2A.6 U2B.6 U2C.6 U2D.6 U3A.6 U3B.6 U3C.6 U3D.6 U6.6 U7.6 U8A.2 U8A.3 U8A.6 U8A.8 U8A.9 U8A.10 U8A.11 U8A.13 U8A.14 U8A.19 U8A.22 U8A.24 U8A.27 U8A.28 U8B.2 U8B.3 U8B.6 U8B.8 U8B.9 U8B.10 U8B.11 U8B.13 U8B.14 U8B.19 U8B.22 U8B.24 U8B.27 U8B.28 U12.3 U12.7 U13.5 U13.6 U13.7 U13.8 U13.37 U13.39 U13.43 U13.45 U13.46 U13.49 U13.53 U13.54 U13.55 U13.56 U13.59 U13.60 U14.6
copper on no net: | length 1179.3
  Top Layer w8: 1577.01,4562 ccw(c1530,4562) 1577.01,4562
  Top Layer w10: 191,3165 175,3149 ; 206,3184 173,3184 ; 206.5,3184.5 243.5,3147.5 ; 207,3149 175,3149 ; 208,3186 208,3218 173,3218 173,3184 ; 208.5,3218.5 279,3148 ; 209,3147 209,3114 ; 226,3131 209,3114 ; 227,3201 244.5,3218.5 ; 243.5,3113.5 173,3184 ; 261,3166 278.5,3183.5 ; 277,3114 244,3114 244,3148 279,3148 ; 277,3218 245,3218 245,3183 279,3183 279,3216 ; 279,3116 279,3148 ; 175,3149 175,3114 209,3114

## Polygon pours and split planes (outlines as drawn)
GND on Bottom Layer "BOT GND" (solid, remove dead copper, pour order 13): 1330,4630 1330,1710 5945,1710 6105,1870 6105,4430 5905,4630
GND on SL2(V) "SL2 GND" (solid, remove dead copper, pour order 11): 1327,4630 1327,1710 5945,1710 5945,1730 6105,1890 6105,4430 5905,4630
GND on SL1(H) "SL1 GND" (solid, remove dead copper, pour order 10): 1328,4630 1328,1710 5945,1710 6105,1870 6105,4510 5905,4630
GND on Top Layer "TOP GND" (solid, remove dead copper, pour order 8): 1329,4630 1329,1710 5945,1710 6105,1870 6105,4430 5905,4630
no net on Bottom Overlay "Top Overlay-No Net" (hatched 45Degree grid 20 track 8, pour order 4): 1036.81,4638.82 1036.81,1694.01 1375.39,1694.01 1375.39,4638.82
no net on Top Overlay "Top Overlay-No Net" (hatched 45Degree grid 20 track 8, pour order 2): 5741.54,4559.68 5741.54,1772.28 5091.93,1772.28 5091.93,4559.68
no net on Top Overlay "Top Overlay-No Net" (hatched 45Degree grid 20 track 8, pour order 0): 1036.81,4638.82 1036.81,1694.32 1375.87,1691.35 1375.87,4638.82
-2.5V on Power "-2.5V" (solid, remove dead copper, pour order 6): 3825,4490 3825,1830 4205,1830 4205,4490
GND on Power "PWR GND" (solid, remove dead copper, pour order 12): 1328,4630 1328,1710 5945,1710 6105,1870 6105,4430 5905,4630
"USB GNDA" on GND PLANE 1 (split plane): 1075.9,1711.1 151.43,1711.1 45.21,1817.32 45.21,4517.68 151.43,4623.9 1075.9,4623.9
GND on GND PLANE 1 (split plane): 6107.27,4512.38 6107.27,1816.43 6001.93,1711.1 3562.07,1711.1 3562.07,2712 3561.78,2714.94 3560.93,2717.77 3559.53,2720.37 3557.66,2722.66 3555.37,2724.53 3552.77,2725.93 3549.94,2726.78 3547,2727.07 3544.06,2726.78 3541.23,2725.93 3538.63,2724.53 3536.34,2722.66 3534.47,2720.37 3533.07,2717.77 3532.22,2714.94 3531.93,2712 3531.93,1711.1 1326.1,1711.1 1326.1,4623.9 3534.93,4623.9 3534.93,3056 3535.22,3053.06 3536.07,3050.23 3537.47,3047.63 3539.34,3045.34 3541.63,3043.47 3544.23,3042.07 3547.06,3041.22 3550,3040.93 3552.94,3041.22 3555.77,3042.07 3558.37,3043.47 3560.66,3045.34 3562.53,3047.63 3563.93,3050.23 3564.78,3053.06 3565.07,3056 3565.07,4623.9 5995.75,4623.9

## Keep-outs
Keep-Out Layer:
  lines w30: 3547,1691 3547,2711 ; 3550,3057 3550,4642

## Other copper
Top Layer:
  text "H" at 1503,4550 h40
  text "E" at 1529,4530 h40
Bottom Layer:
  rectangle net GND: 1755,2560 2037,2667
  rectangle net NetC18_1: 1473,2198 1692,2570
  rectangle net GND: 1719,2177 1849,2333
GND PLANE 1 (plane layer: these items are gaps in the copper):
  lines w30: 3547,1691 3547,2712 ; 3550,3056 3550,4641
  lines w250: 1201,1691 1201,4625

## Silkscreen, mask and mechanical layers (free items; w line width, h text height)
Top Overlay:
  lines w20: 250,4015 450,4015 ; 250,4065 450,4065 ; 275,2340 425,2340 ; 300,3965 400,3965 ; 300,4115 400,4115 ; 325,3915 375,3915 ; 325,4165 375,4165 ; 350,2265 350,2415 ; 250,2240 250,2440 450,2440 450,2240 250,2240
  text "#CS0" at 3325,3858 h25
  text "#DRDY" at 2995,3855 h25
  text "SPI0_MISO" at 2919,3756 h25
  text "+2.5V" at 3330,3754 h25
  text "SPI0_SCK" at 3322,3655 h25
  text "SPI1_CS" at 2955,3653 h25
  text "Amber" at 4836,3591 h400 r270
  text "AUX3" at 3012,3558 h25
  text "#CS1" at 3324,3556 h25
  text "Rev" at 4635,3475 h200 r270
  text "START" at 3323,3459 h25
  text "SPI1_SCK" at 2947,3455 h25
  text "AUX1" at 3333,3357 h25
  text "AUX2" at 3026,3356 h25
  text "SPI1_MISO" at 3322,3258 h25
  text "SPI1_MOSI" at 2932,3250 h25
  text "'.PRJREV'" at 4641,3166 h200 r270
  text "U1_TX" at 3003,3158 h25
  text "U1_RX" at 3323,3154 h25
  text "AUX0" at 3023,3055 h25
  text "U0_TX" at 3325,3054 h25
  text "SDA" at 3038,2959 h25
  text "U0_RX" at 3326,2953 h25
  text "#CS2" at 3327,2855 h25
  text "GND" at 3042,2848 h25
  text "SCL" at 3052,2758 h25
  text "#RESET" at 3324,2756 h25
  text "#PWDN" at 3331,2657 h25
  text "+3.3V" at 3006,2655 h25
  text "SPI0_MOSI" at 3324,2559 h25
  text "-2.5V" at 3004,2554 h25
  text "+VSYS" at 3003,2458 h25
  text "#CS3" at 3343,2454 h25
Bottom Overlay:
  lines w20: 600,2165 750,2165 ; 600,4190 800,4190 ; 600,4240 800,4240 ; 650,4140 750,4140 ; 650,4290 750,4290 ; 675,2090 675,2240 ; 675,4090 725,4090 ; 675,4340 725,4340 ; 575,2065 575,2265 775,2265 775,2065 575,2065
  text "'.PRJREV'" at 5875,3590 h200 r270
  text "Rev" at 5875,3290 h200 r270
  text "Amber" at 5825,2165 h400 r270
Top Solder:
  circle w8: c1530,4562 r47.01
  lines w10: 191,3165 175,3149 ; 206,3184 173,3184 ; 206.5,3184.5 243.5,3147.5 ; 207,3149 175,3149 ; 208,3186 208,3218 173,3218 173,3184 ; 208.5,3218.5 279,3148 ; 209,3147 209,3114 ; 226,3131 209,3114 ; 227,3201 244.5,3218.5 ; 243.5,3113.5 173,3184 ; 261,3166 278.5,3183.5 ; 277,3114 244,3114 244,3148 279,3148 ; 277,3218 245,3218 245,3183 279,3183 279,3216 ; 279,3116 279,3148 ; 175,3149 175,3114 209,3114
  text "H" at 1503,4550 h40
  text "E" at 1529,4530 h40
Board Outline:
  the board outline again, w10
Dims:
  lines w10: -85.24,3166.38 7213.98,3166.38 ; 25,1808.11 7493.5,1808.11 ; 25,4524.65 7099.8,4524.65 ; 182.48,4485.28 6525,4485.28
Import:
  circle w0.5: c5379.33,1848.48 r59.06
  circle w0.5: c2780.91,4486.28 r59.06
  circle w0.5: c5379.33,4486.28 r59.06
  circle w0.5: c182.48,1848.48 r59.06
  circle w0.5: c182.48,4486.28 r59.06
  circle w0.5: c2780.91,1848.48 r59.06
  lines w0.5: 25,1809.11 25,4525.65 143.11,4643.76 5418.7,4643.76 5536.81,4525.65 5536.81,1809.11 5418.7,1691 143.11,1691 25,1809.11 ; 344.96,2458.72 ccw(c497.44,2183.13) 649.92,2458.72 cw(c497.44,2734.31) 344.96,2458.72 ; 344.96,3876.04 ccw(c497.44,4151.63) 649.92,3876.04 cw(c497.44,3600.45) 344.96,3876.04 ; 773.03,3128.01 773.03,3206.75 851.77,3206.75 851.77,3128.01 773.03,3128.01
Notes:
  drawing of 72 lines, arcs and shapes, not listed
  text "1" at 477,8000 h70
  text "2" at 2902,8000 h70
  text "3" at 5387.01,8000 h70
  text "4" at 7673.01,8000 h70
  text "5" at 10172,8000 h70
  text "6" at 12677,8000 h70
  text "ELECTRONIC REVISION HISTORY ON FILE" at 9450.3,7706.01 h107.82
  text "REV" at 7874.18,7478.55 h65
  text "DESCRIPTION" at 10425.14,7475.85 h65
  text "A" at -975,6857 h70
  text "A" at 13825,6857 h70
  text "B" at -975,4477 h70
  text "B" at 13825,4477 h70
  text "C" at -975,2102 h70
  text "C" at 13825,2102 h70
  text "ASSEMBLY NOTES /  / 1.  INSTALL JUMPERS ON JP1 AND JP2 / 2.  INSTALL RF CASE (SMS-462C) /  / FABRICATION NOTES /  / 1.  PCB SUBSTRATE MATERIAL:  FR4\" (-6900.89mil,12765mil) on Notes / 2.  FINISHED THICKNESS SHALL BE 62 MIL\" (-6900.89mil,12565mil) on Notes / 3.  HOLE DIMENSIONS TO APPLY AFTER PLATING / 4.  COPPER WEIGHT: 1 OZ / 5.  SILKSCREEN COLOR: WHITE / 6.  SOLDER MASK: BLACK / 7.  FINISH:ENIG / 8.  NO MOUSEBITES AROUND PERIMETER OF BOARD" at 7935,1395 h118.11
  text "DRAWN:" at 8559.92,359.99 h48.89
  text "HOLE TOLERANCES" at 6097.66,325.28 h59.06
  text "THIRD ANGLE PROJECTION" at 6947.25,317.41 h59.63
  text "Haman" at 9462.28,273.3 h71.55
  text "'.DRAWN BY'" at 8566.68,251.86 h71.55
  text "ON ALL HOLE DIAMETERS" at 5884.18,179.99 h59.06
  text "CHECKED:" at 8553.16,143.74 h48.89
  text "Seto" at 9448.51,66.6 h71.55
  text "'.CHECKED BY'" at 8588.58,33.89 h64.39
  text "100 Mayfield Ave / Mountain View, CA 94043" at 11299,22 h78.74
  text "APPROVED:" at 8553.16,-72.51 h48.89
  text "DRAWING TITLE:" at 10128.39,-107.86 h59.63
  text "3-15-19" at 9459.51,-150.4 h71.55
  text "'.APPROVED BY'" at 8558.58,-163.11 h64.39
  text "D" at -975,-268 h70
  text "D" at 13825,-268 h70
  text "PCB, LUCHADOR, REV 3.2b, AMBER" at 10325,-311.24 h130
  text "DIMENSIONAL TOLERANCES:" at 7145,-380 h71.55
  text "DRAWING NUMBER:" at 10647.38,-698.48 h59.63
  text "REV:" at 12535,-700 h59.63
  text "SIZE:" at 10145.89,-701.25 h59.63
  text "01" at 12585,-895 h135.14
  text "B" at 10298.68,-906.62 h135.14
  text "'.PCBPN'" at 10877.58,-918.11 h135.14
  text "SCALE:" at 10135.15,-1094.48 h59.63
  text "CAGE CODE:" at 10986.61,-1094.48 h60.82
  text "SYSTEM:" at 11858.09,-1099.48 h60.82
  text "SHEET:" at 12891.64,-1099.2 h59.63
  text "OF" at 13396.45,-1099.48 h59.63
  text "NONE" at 10520.33,-1108 h89.44
  text "1" at 13258.35,-1114.1 h89.44
  text "1" at 13586.31,-1114.1 h89.44
  text "ALTIUM" at 12304.1,-1119.75 h89.44
  text "UNLESS OTHERWISE SPECIFIED / DIMENSIONS IN MIL (MM) / AND PER ASME Y 14.5M / PTH SIZE 8(0.2) OR LESS:  +3/-8 (+0.07/-0.2) / ALL OTHER HOLES:  ± 5 (0.12)" at 7030,-1185 h98.43
  text "1" at 181.34,-1300 h70
  text "2" at 2677,-1300 h70
  text "3" at 5166.34,-1300 h70
  text "4" at 7673.01,-1300 h70
  text "5" at 10172,-1300 h70
  text "6" at 12677,-1300 h70

## Dimensions
25,1809.11 to 6127.36,1808.11 on Dims
143.11,1691 to 143.11,4643.76 on Dims
5424.01,4309.76 to 4882.28,4485.28 on Dims
5424.01,4309.76 to 5965.94,4485.28 on Dims
5424.01,2027.76 to 5965.94,1847.48 on Dims
5424.01,2027.76 to 4882.28,1847.48 on Dims

## Text inside footprints (layer, text, board x,y; h text height)
J1: Dims "NO VIAS" at 1843.09,4129.21 h100 r180; Dims "IN THIS AREA" at 1742.09,4438.21 h100 r180
J2: Bottom Overlay "1" at 1732.28,2071.59 h60 r270
J7: Bottom Overlay "1" at 3304.61,3952.95 h60 r90